# Altium PCB PCB_TEST.PcbDoc (part 6 of 6)
Units mil, origin at the board's own origin, x right, y up, seen from the top; angles counter-clockwise.
Board outline 6000 x 4000 mil, 2 copper layers (Top Layer, Bottom Layer); 1506 components, 800 nets, 4143 pads, 6 vias.
Unrouted connection lines stored in the file: 2993.
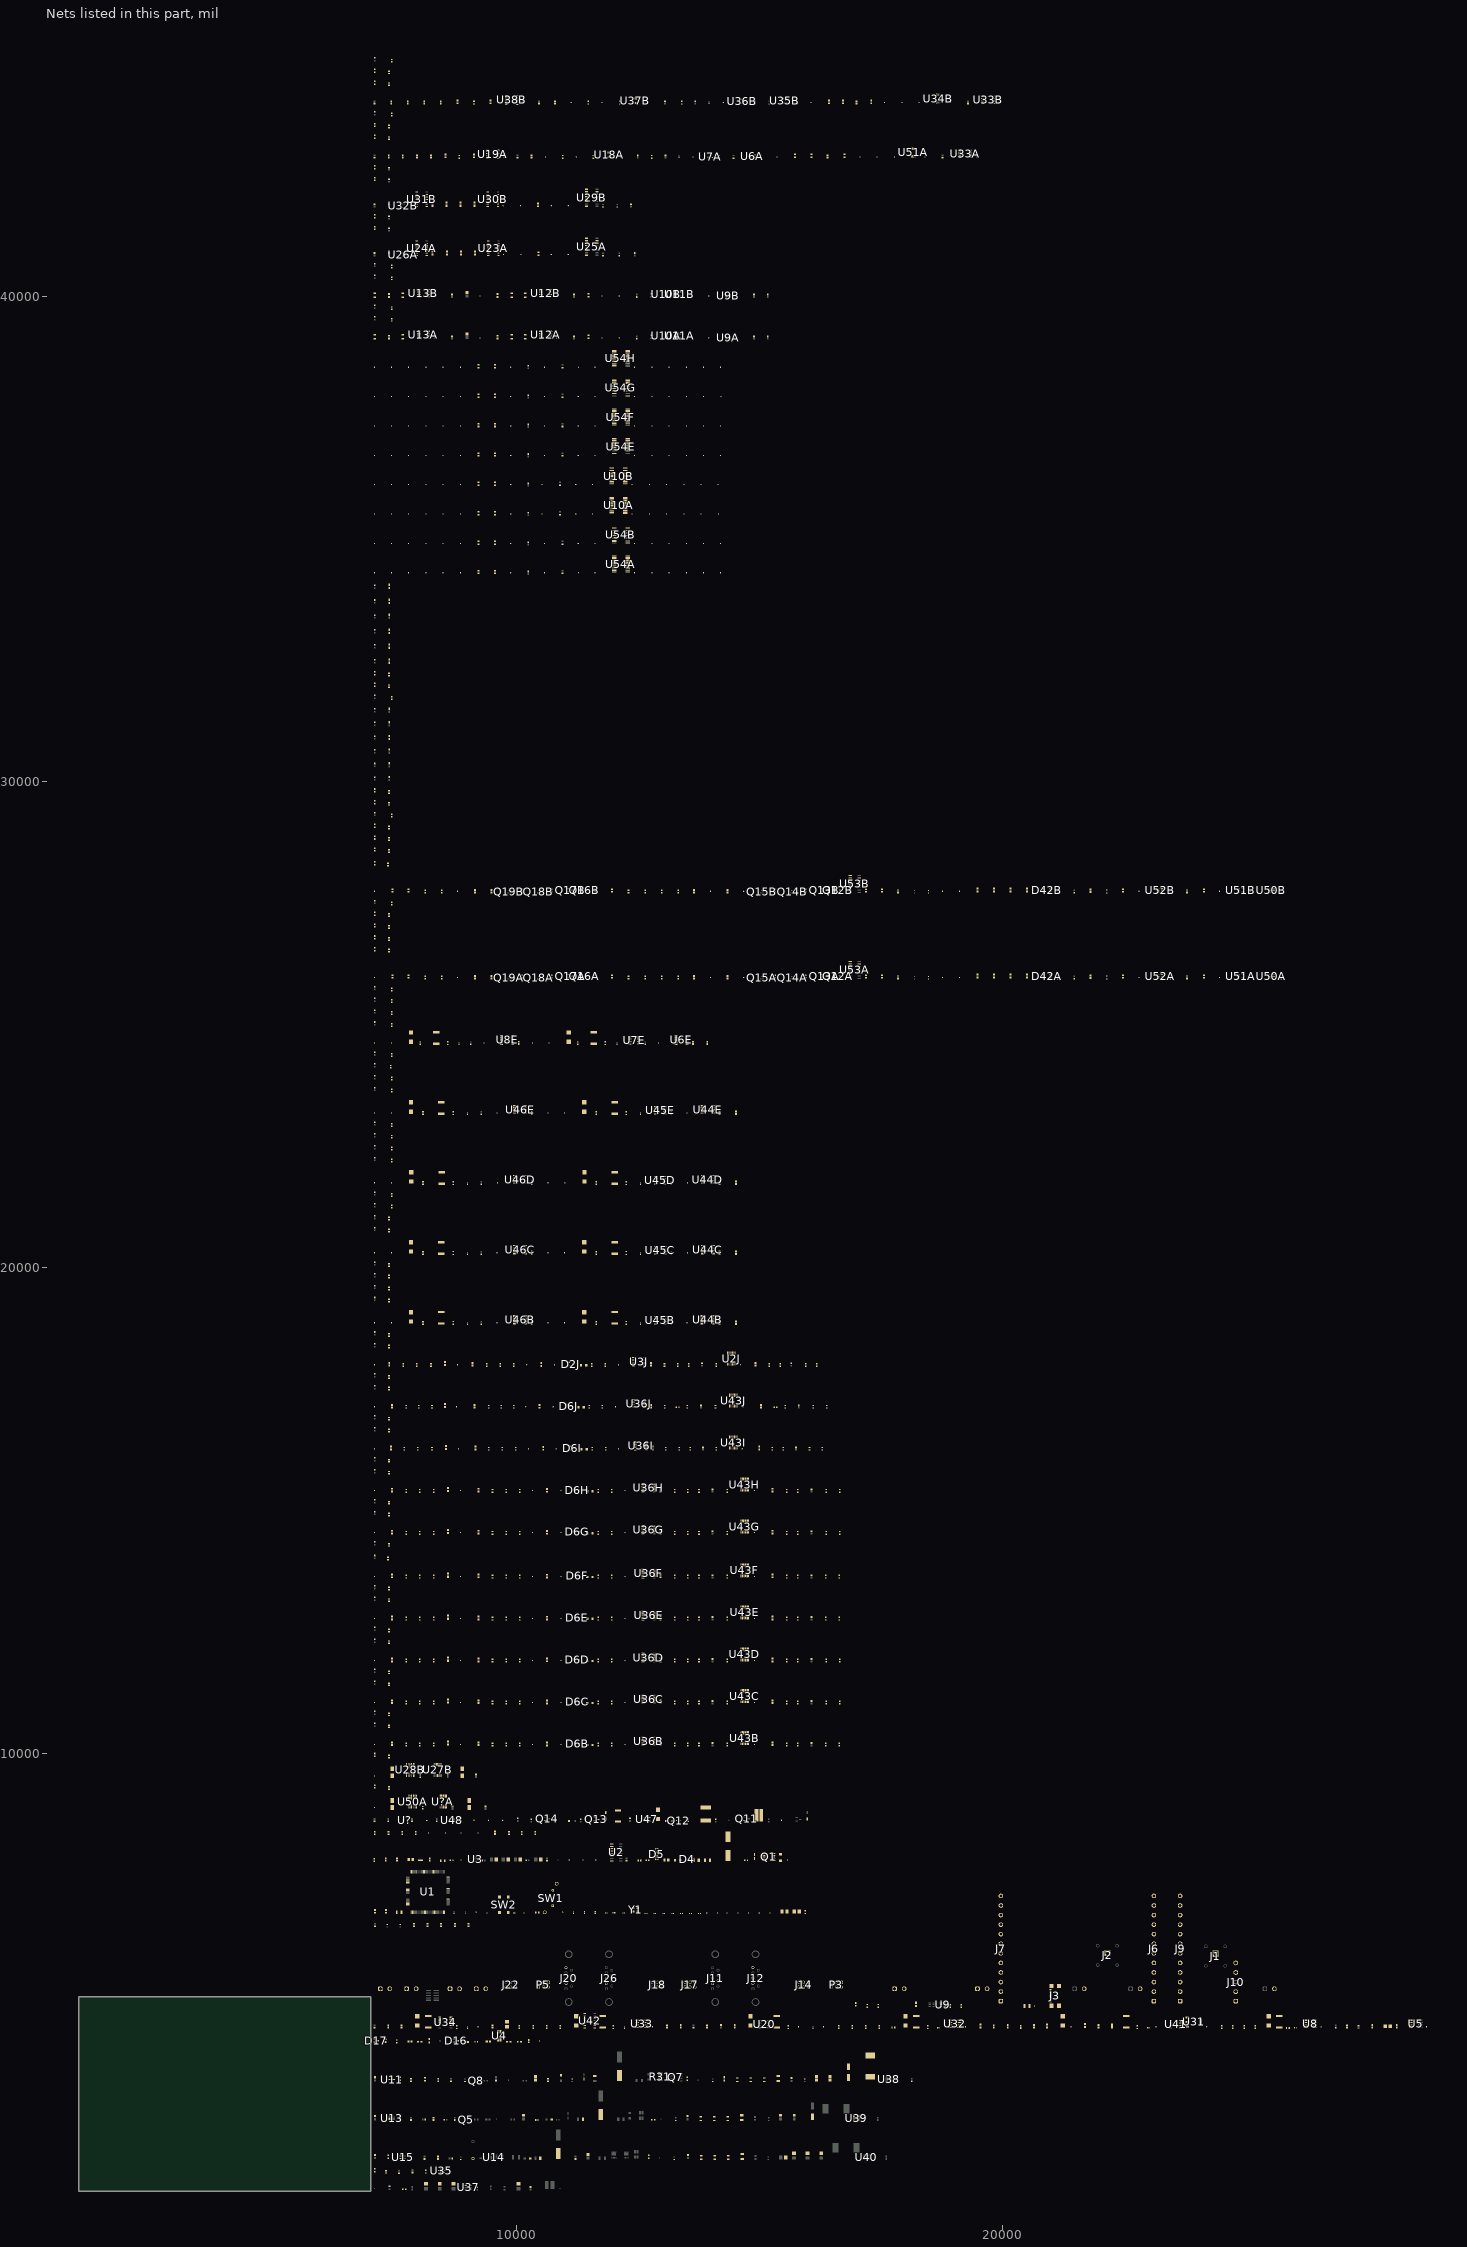
[diagram p6: the nets of this part, all layers, seen from the top]

## Via types
v1: diameter 15.75, hole 7.87, Top Layer to Bottom Layer, 4 vias
v2: diameter 19.68, hole 7.87, Top Layer to Bottom Layer, 2 vias

## Nets (pads, with @x,y where several pads share a name; then routed paths per layer and width w, separated by ;. In a path a pad name is that pad's centre, name@x,y a point inside that pad or via, vN(x,y) a via of type N, cw(c..) or ccw(c..) an arc to the next point about the centre after c; other vN are vias at no path point) (continued)
24V_OUT_Shunted: C121.2@10650,3309.61 C129.1 D28.1 Q7.1 R31.2 R31.4 R37.2 U11.5
24V_OUT_Volt_ADC: C172.2 R175.1 R176.1
24V_REGULATED: C47E.2 C48E.1 C49E.2 C105B.2@14520,18894.61 C105C.2 C105D.2 C105E.2 C110.1 C118.2@15665,3323.58 C122.2 C123.1 C124.1 C158B.1 C158C.1 C158D.1 C158E.1 C159B.2 C159C.2 C159D.2 C159E.2 D33.1 L1.2 Q13.2 R20.2 R31.1 R31.3 R116.1 R165.2 TP63.1 U6E.11 U6E.16 U7E.8 U8E.11 U8E.16 U11.4 U41.5 U41.6 U41.7 U41.8 U44B.11 U44B.16 U44C.11 U44C.16 U44D.11 U44D.16 U44E.11 U44E.16 U45B.8 U45C.8 U45D.8 U45E.8 U46B.11 U46B.16 U46C.11 U46C.16 U46D.11 U46D.16 U46E.11 U46E.16
24V_schottkey: D32.2 Q13.3
24V_SW: C62.1 L1.1 U38.5
AGND: C44.1 C45.2 C157.2 U5.3 U5.6 U5.7 U34.9
Analogue_IN_0: J10.2 R14.2 TP25.1
Analogue_IN_1: J10.4 R19.2 TP26.1
Analogue_IN_ADC_0: C41.1@8951.42,4070 R15.2
Analogue_IN_ADC_1: C43.1 R18.2
Analogue_IN_buffered_0: R15.1 U4.1 U4.2
Analogue_IN_buffered_1: R18.1 U4.6 U4.7
Analogue_IN_step_down_0: D16.3 R14.1 R16.1 R17.2 U4.3
Analogue_IN_step_down_1: D17.3 R19.1 R54.1 R55.2 U4.5
ANALOGUE_OUT_0: F7.2
ANALOGUE_OUT_1: F9.2
ANALOGUE_OUT_2: F11.2
ANALOGUE_OUT_3: F13.2
ANALOGUE_OUT_4: F15.2
ANALOGUE_OUT_5: F17.2
AO_22V_LDO_IN: C174.1 U31.3 U41.3
AO_3080_SET: C114.1 R124.1 U31.1
AO_3080_SET_1M: R124.2 R125.1@19555,4364.48
AO_3080_SET_200k: R71.2 R125.2@19555,4425.52
AO_AMP_0_INV: R24.1 R26.2 U8.2
AO_AMP_0_OUT: R21.1 R24.2 U8.1
AO_AMP_1_INV: R23.1 R25.2 U8.6
AO_AMP_1_OUT: R23.2 R102.1 U8.7
AO_AMP_2_INV: R128.1 R142.2 U32.2
AO_AMP_2_OUT: R103.1 R128.2 U32.1
AO_AMP_3_INV: R126.1 R129.2 U32.6
AO_AMP_3_OUT: R104.1@15365,4366.81 R126.2 U32.7
AO_AMP_4_INV: R144.1 R146.2@10345,4401.64 U33.2
AO_AMP_4_OUT: R105.1@11775,4366.81 R144.2 U33.1
AO_AMP_5_INV: R143.1 R145.2 U33.6
AO_AMP_5_OUT: R143.2 R153.1 U33.7
AO_CH0_FUSE: F7.1 F8.2
AO_CH0_TVS: D18.1 F8.1 R21.2 TP38.1
AO_CH1_FUSE: F9.1 F10.2
AO_CH1_TVS: D19.1 F10.1 R102.2 TP40.1
AO_CH2_FUSE: F11.1 F12.2
AO_CH2_TVS: F12.1 R103.2 TP42.1
AO_CH3_FUSE: F13.1 F14.2
AO_CH3_TVS: D24.1 F14.1 R104.2@15365,4603.19 TP43.1
AO_CH4_FUSE: F15.1 F16.2
AO_CH4_TVS: D25.1@11235,4403.54 F16.1 R105.2@11775,4603.19 TP45.1
AO_CH5_FUSE: F17.1 F18.2
AO_CH5_TVS: D26.1@7960,4403.54 F18.1 R153.2 TP46.1
AO_EN: R179B.1 TP41.1 U41.2
AO_MCU_nCS: U42.2
AO_MCU_SCK: U42.9
AO_MCU_SDI: U42.5
AOUT0: J9.1
AOUT1: J9.3
AOUT2: J9.5
AOUT3: J9.7
AOUT4: J9.9
AOUT5: J9.11
BOOT0: R3.2 R179A.1 SW1.2 TP1.1 U1.138
C1_MinusA: C73A.2 U19A.4
C1_MinusB: C104B.2 U38B.4
C1_PlusA: C73A.1 U19A.2
C1_PlusB: C104B.1 U38B.2
C2_MinusA: C74A.2 U19A.6
C2_MinusB: C103B.2 U38B.6
C2_PlusA: C74A.1 U19A.5
C2_PlusB: C103B.1 U38B.5
CAN_Comon_nodeA: C166A.1 R169A.2@9035,9037.83 R170A.2@7450,9037.83 U?A.8
CAN_Comon_nodeB: C91B.1 R83B.2 R84B.2 U27B.8
CAN_MCU.CAN_RX_INA: U50A.4@7940,8919.98
CAN_MCU.CAN_RX_INB: U28B.4
CAN_MCU.CAN_TX_OUTA: U50A.1@7790,8919.98
CAN_MCU.CAN_TX_OUTB: U28B.1
CAN_OUTA_H: J11.7 U50A.7 U?A.5
CAN_OUTA_L: J11.2 U50A.6@7890,9110.02 U?A.12
CAN_OUTB_H: J26.7 U27B.5 U28B.7
CAN_OUTB_L: J26.2 U27B.12 U28B.6
CAN_TERM_CTRL_SEL_CH1: R179C.1 TP47A.1 TP84A.1 U54A.21 U?A.4 U?A.10 U?A.13
CAN_TERM_CTRL_SEL_CH2: R179D.1 TP47B.1 TP85A.1 U27B.4 U27B.10 U27B.13 U54A.22
CAN_VrefA: U50A.5@7940,9110.02 U?A.9
CAN_VrefB: U27B.9 U28B.5
CC1: J3.A5 R30.2
CC2: J3.B5 R29.2
CON_D_N: J3.A7 J3.B7 U9.1
CON_D_P: J3.A6 J3.B6 U9.6
DAC_nCS: U34.3 U42.3
DAC_OUT_0: U8.3 U34.5
DAC_OUT_1: U8.5 U34.15
DAC_OUT_2: U32.3 U34.6
DAC_OUT_3: U32.5 U34.14
DAC_OUT_4: U33.3 U34.7
DAC_OUT_5: U33.5 U34.13
DAC_Reg_5V: C45.1 C101.1 C104.1 C115.2 TP37.1 U5.1 U5.2 U34.2
DAC_Reg_22V: C89.2 C102.2 C103.1 C111.1 C112.2 C113.1 C116.1 R123.2 TP39.1 U8.8 U31.2 U31.4 U32.8 U33.8
DAC_SCK: U34.18 U42.8
DAC_SDI: U34.19 U42.6
DAC_VREF: C108.2 C109.1 C117.2 C118.2@7365,4409.61 TP44.1 U20.6 U34.4 U34.16
DI_3V3_vrefA: C79B.1 R57B.1 R61B.2 R63B.2 U43B.7
DI_3V3_vrefB: C79C.1 R57C.1 R61C.2 R63C.2 U43C.7
DI_3V3_vrefC: C79D.1 R57D.1 R61D.2 R63D.2 U43D.7
DI_3V3_vrefD: C79E.1 R57E.1 R61E.2 R63E.2 U43E.7
DI_3V3_vrefE: C79F.1 R57F.1 R61F.2 R63F.2 U43F.7
DI_3V3_vrefF: C79G.1 R57G.1 R61G.2 R63G.2 U43G.7
DI_3V3_vrefG: C79H.1 R57H.1 R61H.2 R63H.2 U43H.7
DI_3V3_vrefH: C79I.1 R57I.1 R61I.2 R63I.2 U43I.7
DI_3V3_vrefI: C79J.1 R57J.1 R61J.2 R63J.2 U43J.7
DI_3V3_vrefJ: C29J.1 R4J.1 R5J.2 R6J.2 U2J.7
DI_5V_vrefA: C80B.1 R9A.1 R65B.2 R66B.1 U43B.5
DI_5V_vrefB: C80C.1 R9B.1 R65C.2 R66C.1 U43C.5
DI_5V_vrefC: C80D.1 R9C.1 R65D.2 R66D.1 U43D.5
DI_5V_vrefD: C80E.1 R9D.1 R65E.2 R66E.1 U43E.5
DI_5V_vrefE: C80F.1 R9E.1 R65F.2 R66F.1 U43F.5
DI_5V_vrefF: C80G.1 R9F.1 R65G.2 R66G.1 U43G.5
DI_5V_vrefG: C80H.1 R9G.1 R65H.2 R66H.1 U43H.5
DI_5V_vrefH: C80I.1 R9H.1 R65I.2 R66I.1 U43I.5
DI_5V_vrefI: C80J.1 R9I.1 R65J.2 R66J.1 U43J.5
DI_5V_vrefJ: C31J.1 R8J.2 R9J.1 R10J.1 U2J.5
DI_12V_vrefA: C82B.1 R15A.1 R16A.1 R69B.2 U43B.9
DI_12V_vrefB: C82C.1 R15B.1 R16B.1 R69C.2 U43C.9
DI_12V_vrefC: C82D.1 R15C.1 R16C.1 R69D.2 U43D.9
DI_12V_vrefD: C82E.1 R15D.1 R16D.1 R69E.2 U43E.9
DI_12V_vrefE: C82F.1 R15E.1 R16E.1 R69F.2 U43F.9
DI_12V_vrefF: C82G.1 R15F.1 R16F.1 R69G.2 U43G.9
DI_12V_vrefG: C82H.1 R15G.1 R16G.1 R69H.2 U43H.9
DI_12V_vrefH: C82I.1 R15H.1 R16H.1 R69I.2 U43I.9
DI_12V_vrefI: C82J.1 R15I.1 R16I.1 R69J.2 U43J.9
DI_12V_vrefJ: C32J.1 R14J.2 R15J.1 R16J.1 U2J.9
DI_24V_vrefA: C83B.1 R18A.2 R19A.1 R20A.1 U43B.11
DI_24V_vrefB: C83C.1 R18B.2 R19B.1 R20B.1 U43C.11
DI_24V_vrefC: C83D.1 R18C.2 R19C.1 R20C.1 U43D.11
DI_24V_vrefD: C83E.1 R18D.2 R19D.1 R20D.1 U43E.11
DI_24V_vrefE: C83F.1 R18E.2 R19E.1 R20E.1 U43F.11
DI_24V_vrefF: C83G.1 R18F.2 R19F.1 R20F.1 U43G.11
DI_24V_vrefG: C83H.1 R18G.2 R19G.1 R20G.1 U43H.11
DI_24V_vrefH: C83I.1 R18H.2 R19H.1 R20H.1 U43I.11
DI_24V_vrefI: C83J.1 R18I.2 R19I.1 R20I.1 U43J.11
DI_24V_vrefJ: C33J.1 R18J.2 R19J.1 R20J.1 U2J.11
DI_DUT_INA: D1B.1 R68B.1
DI_DUT_INB: D1C.1 R68C.1
DI_DUT_INC: D1D.1 R68D.1
DI_DUT_IND: D1E.1 R68E.1
DI_DUT_INE: D1F.1 R68F.1
DI_DUT_INF: D1G.1 R68G.1
DI_DUT_ING: D1H.1 R68H.1
DI_DUT_INH: D1I.1 R68I.1
DI_DUT_INI: D1J.1@11279.88,17130 R68J.1
DI_DUT_INJ: D1J.1@11329.88,17995 R12J.1
DI_IN_dividedA: D6B.3 R13A.2 R68B.2 U43B.4 U43B.6 U43B.8 U43B.10
DI_IN_dividedB: D6C.3 R13B.2 R68C.2 U43C.4 U43C.6 U43C.8 U43C.10
DI_IN_dividedC: D6D.3 R13C.2 R68D.2 U43D.4 U43D.6 U43D.8 U43D.10
DI_IN_dividedD: D6E.3 R13D.2 R68E.2 U43E.4 U43E.6 U43E.8 U43E.10
DI_IN_dividedE: D6F.3 R13E.2 R68F.2 U43F.4 U43F.6 U43F.8 U43F.10
DI_IN_dividedF: D6G.3 R13F.2 R68G.2 U43G.4 U43G.6 U43G.8 U43G.10
DI_IN_dividedG: D6H.3 R13G.2 R68H.2 U43H.4 U43H.6 U43H.8 U43H.10
DI_IN_dividedH: D6I.3 R13H.2 R68I.2 U43I.4 U43I.6 U43I.8 U43I.10
DI_IN_dividedI: D6J.3 R13I.2 R68J.2 U43J.4 U43J.6 U43J.8 U43J.10
DI_IN_dividedJ: D2J.3 R12J.2 R13J.2 U2J.4 U2J.6 U2J.8 U2J.10
DI_MCU_OUTA: U36B.6
DI_MCU_OUTB: U36C.6
DI_MCU_OUTC: U36D.6
DI_MCU_OUTD: U36E.6
DI_MCU_OUTE: U36F.6
DI_MCU_OUTF: U36G.6
DI_MCU_OUTG: U36H.6
DI_MCU_OUTH: U36I.6
DI_MCU_OUTI: U36J.6
DI_MCU_OUTJ: U3J.6
DI_S0_0: TP84C.1 U10A.21
DI_S0_1: TP85C.1 U10A.22
DI_S0_2: TP86C.1 U10A.23
DI_S0_3: TP87C.1 U10A.24
DI_S0_4: TP88C.1 U10A.25
DI_S0_5: TP89C.1 U10A.26
DI_S0_6: TP90C.1 U10A.27
DI_S0_7: TP91C.1 U10A.28
DI_S0_8: TP92C.1 U10A.1@11967.2,35856.34
DI_S0_9: TP93C.1 U10A.2@11967.2,35830.75
DI_S1_0: TP84D.1 U10B.21
DI_S1_1: TP85D.1 U10B.22
DI_S1_2: TP86D.1 U10B.23
DI_S1_3: TP87D.1 U10B.24
DI_S1_4: TP88D.1 U10B.25
DI_S1_5: TP89D.1 U10B.26
DI_S1_6: TP90D.1 U10B.27
DI_S1_7: TP91D.1 U10B.28
DI_S1_8: TP92D.1 U10B.1@11967.2,36461.34
DI_S1_9: TP93D.1 U10B.2@11967.2,36435.75
DI_VSEL_S0A: R180A.1 R180C.1 R180E.1 R180G.1 R180I.1 R180K.1 R180M.1 R180O.1 R180Q.1 R180S.1 TP5A.1 TP5B.1 TP5C.1 TP5D.1 TP5E.1 TP5F.1 TP5G.1 TP5H.1 TP5I.1 TP5J.1 U3J.11 U36B.11 U36C.11 U36D.11 U36E.11 U36F.11 U36G.11 U36H.11 U36I.11 U36J.11
DI_VSEL_S1A: R180B.1 R180D.1 R180F.1 R180H.1 R180J.1 R180L.1 R180N.1 R180P.1 R180R.1 R180T.1 TP6A.1 TP6B.1@10335,11055 TP6C.1@10335,11920 TP6D.1@10335,12785 TP6E.1@10335,13650 TP6F.1 TP6G.1 TP6H.1 TP6I.1 TP6J.1 U3J.10 U36B.10 U36C.10 U36D.10 U36E.10 U36F.10 U36G.10 U36H.10 U36I.10 U36J.10
DIN0: J6.2
DIN1: J6.3
DIN2: J6.4
DIN3: J6.5
DIN4: J6.6
DIN5: J6.7
DIN6: J6.8
DIN7: J6.9
DIN8: J6.10
DIN9: J6.11
DO_A0_0: TP84E.1 U54E.21
DO_A0_1: TP85E.1 U54E.22
DO_A0_2: TP86E.1 U54E.23
DO_A0_3: TP87E.1 U54E.24
DO_A0_4: TP88E.1 U54E.25
DO_A0_5: TP89E.1 U54E.26
DO_A0_6: TP90E.1 U54E.27
DO_A0_7: TP91E.1 U54E.28
DO_A0_8: TP92E.1 U54E.1
DO_A0_9: TP93E.1 U54E.2
DO_A1_0: TP84F.1 U54F.21
DO_A1_1: TP85F.1 U54F.22
DO_A1_2: TP86F.1 U54F.23
DO_A1_3: TP87F.1 U54F.24
DO_A1_4: TP88F.1 U54F.25
DO_A1_5: TP89F.1 U54F.26
DO_A1_6: TP90F.1 U54F.27
DO_A1_7: TP91F.1 U54F.28
DO_A1_8: TP92F.1 U54F.1
DO_A1_9: TP93F.1 U54F.2
DO_A_DUTA: F19B.2
DO_A_DUTB: F19C.2
DO_A_DUTC: F19D.2
DO_A_DUTD: F19E.2
DO_A_DUTE: F2E.2
DO_A_MCU_IN_ENA_N: R154B.1@13190,18840.22 U44B.6
DO_A_MCU_IN_ENB_N: R154C.1 U44C.6
DO_A_MCU_IN_ENC_N: R154D.1 U44D.6
DO_A_MCU_IN_END_N: R154E.1 U44E.6
DO_A_MCU_IN_ENE_N: R32E.1 U6E.6
DO_A_VSEL_A0A: R180U.1 TP17A.1 U44B.9
DO_A_VSEL_A0B: R180Y.1 TP17B.1 U44C.9
DO_A_VSEL_A0C: R180AC.1 TP17C.1 U44D.9
DO_A_VSEL_A0D: R180AG.1 TP17D.1 U44E.9
DO_A_VSEL_A0E: R180AK.1 TP17E.1 U6E.9
DO_A_VSEL_A1A: R180V.1 TP16A.1@10995,18870 U44B.10
DO_A_VSEL_A1B: R180Z.1 TP16B.1 U44C.10
DO_A_VSEL_A1C: R180AD.1 TP16C.1 U44D.10
DO_A_VSEL_A1D: R180AH.1 TP16D.1 U44E.10
DO_A_VSEL_A1E: R180AL.1 TP16E.1 U6E.10
DO_B_DUTA: F21B.2
DO_B_DUTB: F21C.2
DO_B_DUTC: F21D.2
DO_B_DUTD: F21E.2
DO_B_DUTE: F4E.2
DO_B_MCU_IN_ENA_N: R157B.1@9280,18840.22 U46B.6
DO_B_MCU_IN_ENB_N: R157C.1 U46C.6
DO_B_MCU_IN_ENC_N: R157D.1 U46D.6
DO_B_MCU_IN_END_N: R157E.1 U46E.6
DO_B_MCU_IN_ENE_N: R35E.1 U8E.6
DO_B_VSEL_A0A: R180W.1 TP20A.1 U46B.9
DO_B_VSEL_A0B: R180AA.1 TP20B.1 U46C.9
DO_B_VSEL_A0C: R180AE.1 TP20C.1 U46D.9
DO_B_VSEL_A0D: R180AI.1 TP20D.1 U46E.9
DO_B_VSEL_A0E: R180AM.1 TP20E.1 U8E.9
DO_B_VSEL_A1A: R180X.1 TP19A.1 U46B.10
DO_B_VSEL_A1B: R180AB.1 TP19B.1 U46C.10
DO_B_VSEL_A1C: R180AF.1 TP19C.1 U46D.10
DO_B_VSEL_A1D: R180AJ.1 TP19D.1 U46E.10
DO_B_VSEL_A1E: R180AN.1 TP19E.1 U8E.10
DOUT0: J7.2
DOUT1: J7.3
DOUT2: J7.4
DOUT3: J7.5
DOUT4: J7.6
DOUT5: J7.7
DOUT6: J7.8
DOUT7: J7.9
DOUT8: J7.10
DOUT9: J7.11
Gate_driver_out: R163.1 U47.5
GND: C18.2 C19.2 C20.1 C21.1 C22.1 C23.1 C24.2 C25.2 C26.2 C27.2 C28.1 C28J.2 C29.2 C29J.2 C30.1 C30J.2 C31.2 C31J.2 C32.1 C32J.2 C33.2 C33J.2 C36.1 C37.1 C38.1 C39.1 C40.1@10255,4060.39 C40.2@9590.21,7825 C41.2 C43.2 C46A.2 C47A.2 C47E.1 C48A.1 C48E.2 C49A.1 C49E.1 C50.1 C50A.2 C50B.2 C51.1 C51A.2 C51B.2 C52A.1 C52B.1 C53A.2 C53B.2 C54A.2 C54B.2 C55A.2 C55B.2 C56.1 C56A.2 C56B.2 C57.1 C57A.2 C57B.2 C58.2 C59.1 C60.2 C61.1 C63.1 C64.1 C65.1 C66.1 C75A.2 C76A.1 C77B.2 C77C.2 C77D.2 C77E.2 C77F.2 C77G.2 C77H.2 C77I.2 C77J.2 C78B.2 C78C.2 C78D.2 C78E.2 C78F.2 C78G.2 C78H.2 C78I.2 C78J.2 C79B.2 C79C.2 C79D.2 C79E.2 C79F.2 C79G.2 C79H.2 C79I.2 C79J.2 C80B.2 C80C.2 C80D.2 C80E.2 C80F.2 C80G.2 C80H.2 C80I.2 C80J.2 C81A.2 C82B.2 C82C.2 C82D.2 C82E.2 C82F.2 C82G.2 C82H.2 C82I.2 C82J.2 C83B.2 C83C.2 C83D.2 C83E.2 C83F.2 C83G.2 C83H.2 C83I.2 C83J.2 C84A.2 C85A.2 C86A.2 C87A.2 C89.1 C89B.2 C90B.2 C91B.2 C92B.2 C93A.2 C93B.2 C94B.2 C95B.1 C96B.2 C97B.1 C98B.2 C99B.2 C100B.2 C101B.1 C102.1 C102B.1 C103.2 C104.2 C105B.1@14520,18845.39 C105B.2@7425,44009.61 C105C.1 C105D.1 C105E.1 C106.2 C106B.2 C107.1 C107B.1 C108.1 C109.2 C110.2 C111.2 C112.1 C113.2 C114.2 C115.1 C116.2 C117.1 C118.1@7365,4360.39 C119.1 C120.1@7865,1380.39 C120.2@11615,3365.23 C121.1 C122.1 C123.2 C124.2 C125.2 C126.2 C127.2 C128.2 C129.2 C130.2 C131.2 C133.1 C134.2@15440,2556.47 C135.2 C136.2 C137.2 C138.2 C139.2 C141.2 C142.2 C143.2 C144.2 C145.2 C146.2 C147.2 C148.2 C149.2 C150.2 C152.2 C153.2 C154.2 C156.1 C158B.2 C158C.2 C158D.2 C158E.2 C159B.1 C159C.1 C159D.1 C159E.1 C160.1 C162.1 C163.1@7085,8610.39 C164.1 C165A.2 C166A.2 C167A.1 C168A.1@25745,25947.36 C168A.2@16405,42894.61 C168B.1 C169A.1 C169B.1 C170.1 C170A.1 C170B.1 C171.1 C171A.2 C171B.2 C172.1 C172A.1 C172B.1 C173.1 C173A.1 C173B.1 C174.2 C174A.1 C174B.1 C175A.1 C175B.1 C176A.1 C176B.1 C177A.2 C177B.2 C177E.2 C177F.2 C177G.2 C177H.2 C?A.2 D1B.2 D1C.2 D1D.2 D1E.2 D1F.2 D1G.2 D1H.2 D1I.2 D1J.2 D2J.1 D5.1@12890,7845 D5.2@13375.12,7805 D6B.1 D6C.1 D6D.1 D6E.1 D6F.1 D6G.1 D6H.1 D6I.1 D6J.1 D7.1 D7E.2 D8E.2 D11.2 D14.2 D16.1 D17.1 D18.2 D19.2 D23.2 D24.2 D25.1@16985,4810.47 D25.2@11235,4596.46 D26.1@13520,3280.47 D26.2@7960,4596.46 D27B.2 D27C.2 D27D.2 D27E.2 D28B.2 D28C.2 D28D.2 D28E.2 D30.1@7610,3280.47 D30.2@12915,8846.46 D31.1@12790.47,2465 D31.2@13209.37,8615 D34.1 D35.1@7610,2480.47 D36.1@12725,1675.47 D36.2@10920,3380.12 D39.1 D40.1 D41.1 D42A.1 D42B.1 D43A.1 D43B.1 D44A.1 D44B.1 D45A.1 D45B.1 D45C.1 D45D.1 D45E.1 D45F.1 D45G.1 D45H.1 D45I.1 D45J.1 D45K.1 D45L.1 D45M.1 D45N.1 D45O.1 D45P.1 D45Q.1 D45R.1 J2.1 J3.1 J3.2 J3.3 J3.4 J3.A1-B12 J3.B1-A12 J4.2 J5.2 J6.1 J6.12 J7.1 J7.12 J8.2 J9.2 J9.4 J9.6 J9.8 J9.10 J9.12 J10.1 J10.3 J10.5 J11.3 J12.5 J14.2 J14.6 J17.2 J17.6 J18.2 J18.4 J18.5 J20.2@9373.43,5162.48 J20.5 J22.2 J22.4 J22.6 J24.2 J25.2 J26.3 J27.2 P3.2 P3.4 P3.5 P5.2 P5.4 P5.6 Q5.2 Q8.2@9149.51,3250.31 Q11.2 Q12.4 Q14.2 Q14A.2 Q14B.2 Q15A.2 Q15B.2 Q18A.2 Q18B.2 Q19A.2 Q19B.2 R3.1 R6.1 R6J.1 R7.1 R9A.2 R9B.2 R9C.2 R9D.2 R9E.2 R9F.2 R9G.2 R9H.2 R9I.2 R9J.2 R10.1 R12.1 R13.1 R13A.1 R13B.1 R13C.1 R13D.1 R13E.1 R13F.1 R13G.1 R13H.1 R13I.1 R13J.1 R15A.2 R15B.2 R15C.2 R15D.2 R15E.2 R15F.2 R15G.2 R15H.2 R15I.2 R15J.2 R17.1 R19A.2 R19B.2 R19C.2 R19D.2 R19E.2 R19F.2 R19G.2 R19H.2 R19I.2 R19J.2 R25.1 R26.1 R29.1 R30.1 R34E.1 R35.1 R36.2 R37E.1 R38.1 R38A.2 R38B.2 R39A.2 R39B.2 R41A.2 R41B.2 R42.2 R43A.2 R43B.2 R44.1 R51.1 R55.1 R63B.1 R63C.1 R63D.1 R63E.1 R63F.1 R63G.1 R63H.1 R63I.1 R63J.1 R71.1 R87B.1 R91A.1 R92B.2 R93.1 R93B.2 R94B.2 R107A.1 R107B.1 R108A.1 R108B.1 R112.1@13255,1648.36 R114.2 R123.1 R129.1 R142.1 R145.1 R146.1@10345,4348.36 R151A.1 R151B.1 R152A.1 R152B.1 R156B.1@11645,18840.22 R156C.1 R156D.1 R156E.1 R159B.1@8080,18840.22 R159C.1 R159D.1 R159E.1 R162.2 R166.2 R171A.2@16755,42914.53 R172A.2@15735,42914.53 R173A.2@16075,42914.53 R176.2 R177A.1 R177B.1 R177E.1 R177F.1 R177G.1 R177H.1 R178A.1 R178B.1 R178E.1 R178F.1 R178G.1 R178H.1 R185.2 R186.2 R187.2 R188.2 SW1.3 SW1.MH1 SW1.MH2 SW2.B SW2.B' U1.16 U1.31 U1.38 U1.51 U1.61 U1.83 U1.94 U1.107 U1.120 U1.130 U2.3 U2.4 U2.5 U2.8 U2J.12 U3.3 U3.4 U3.5 U3.12 U3J.1 U3J.2 U3J.3 U3J.4 U3J.7 U3J.8 U4.4 U6A.2 U6E.1 U6E.2 U6E.3 U6E.4 U6E.5 U6E.7 U6E.8 U7A.4 U7E.4 U8.4 U8E.1 U8E.2 U8E.3 U8E.4 U8E.5 U8E.7 U8E.8 U9.2 U9A.3 U9B.3 U10A.2@13085,39141.69 U10A.10 U10A.15 U10A.16 U10A.17 U10B.2@13085,39996.69 U10B.10 U10B.16 U10B.17 U11.1 U11.2 U11A.2 U11B.2 U12A.4 U12B.4 U13.1 U13.2 U13A.4 U13B.4 U14.4 U15.1 U15.2 U18A.2 U18A.5 U19A.14 U20.4 U23A.7 U24A.7 U25A.2 U25A.3 U25A.4 U25A.5 U25A.8 U26A.2 U27B.7 U28B.2 U28B.8 U29B.2 U29B.3 U29B.4 U29B.5 U29B.8 U30B.7 U31B.7 U32.4 U32B.2 U33.4 U33A.7 U33B.7 U34.1 U34.20 U34B.2 U34B.3 U34B.9 U35.2 U35.7 U35B.2 U36B.1@12609.33,10344.57 U36B.2@12609.33,10318.98 U36B.3@12609.33,10293.39 U36B.4 U36B.7 U36B.8 U36C.1 U36C.2 U36C.3 U36C.4 U36C.7 U36C.8 U36D.1 U36D.2 U36D.3 U36D.4 U36D.7 U36D.8 U36E.1 U36E.2 U36E.3 U36E.4 U36E.7 U36E.8 U36F.1 U36F.2 U36F.3 U36F.4 U36F.7 U36F.8 U36G.1 U36G.2 U36G.3 U36G.4 U36G.7 U36G.8 U36H.1 U36H.2 U36H.3 U36H.4 U36H.7 U36H.8 U36I.1 U36I.2 U36I.3 U36I.4 U36I.7 U36I.8 U36J.1 U36J.2 U36J.3 U36J.4 U36J.7 U36J.8 U37.1 U37B.2 U37B.5 U38.4 U38B.14 U39.4 U40.4 U41.1 U42.1 U42.4 U42.7 U42.10 U42.12 U43B.12 U43C.12 U43D.12 U43E.12 U43F.12 U43G.12 U43H.12 U43I.12 U43J.12 U44B.1 U44B.2 U44B.3 U44B.4 U44B.5 U44B.7 U44B.8 U44C.1 U44C.2 U44C.3 U44C.4 U44C.5 U44C.7 U44C.8 U44D.1 U44D.2 U44D.3 U44D.4 U44D.5 U44D.7 U44D.8 U44E.1 U44E.2 U44E.3 U44E.4 U44E.5 U44E.7 U44E.8 U45B.4 U45C.4 U45D.4 U45E.4 U46B.1 U46B.2 U46B.3 U46B.4 U46B.5 U46B.7 U46B.8 U46C.1 U46C.2 U46C.3 U46C.4 U46C.5 U46C.7 U46C.8 U46D.1 U46D.2 U46D.3 U46D.4 U46D.5 U46D.7 U46D.8 U46E.1 U46E.2 U46E.3 U46E.4 U46E.5 U46E.7 U46E.8 U47.2 U48.2 U50A.2 U50A.8 U50B.2 U51A.2@18155.31,42874.26 U51A.3 U51A.9 U51B.3 U52A.2 U52B.2 U53A.3 U53A.4 U53A.5 U53A.8 U53B.3 U53B.4 U53B.5 U53B.8 U54A.10 U54A.16 U54B.10 U54B.15 U54E.10 U54E.15 U54E.17 U54F.10 U54F.17 U54G.10 U54G.15 U54G.16 U54H.10 U?.2 U?A.7 Y1.2 Y1.4